# Altium PCB fastcar.PcbDoc (part 6 of 6)
Units mm, origin at the board's own origin, x right, y up, seen from the top; angles counter-clockwise.
Board outline 341.4 x 93 mm, 6 copper layers (Component Side, Signal 1, Signal 2, GND, POWER, Solder Side); 271 components, 375 nets, 1876 pads, 1375 vias.
Unrouted connection lines stored in the file: 4.
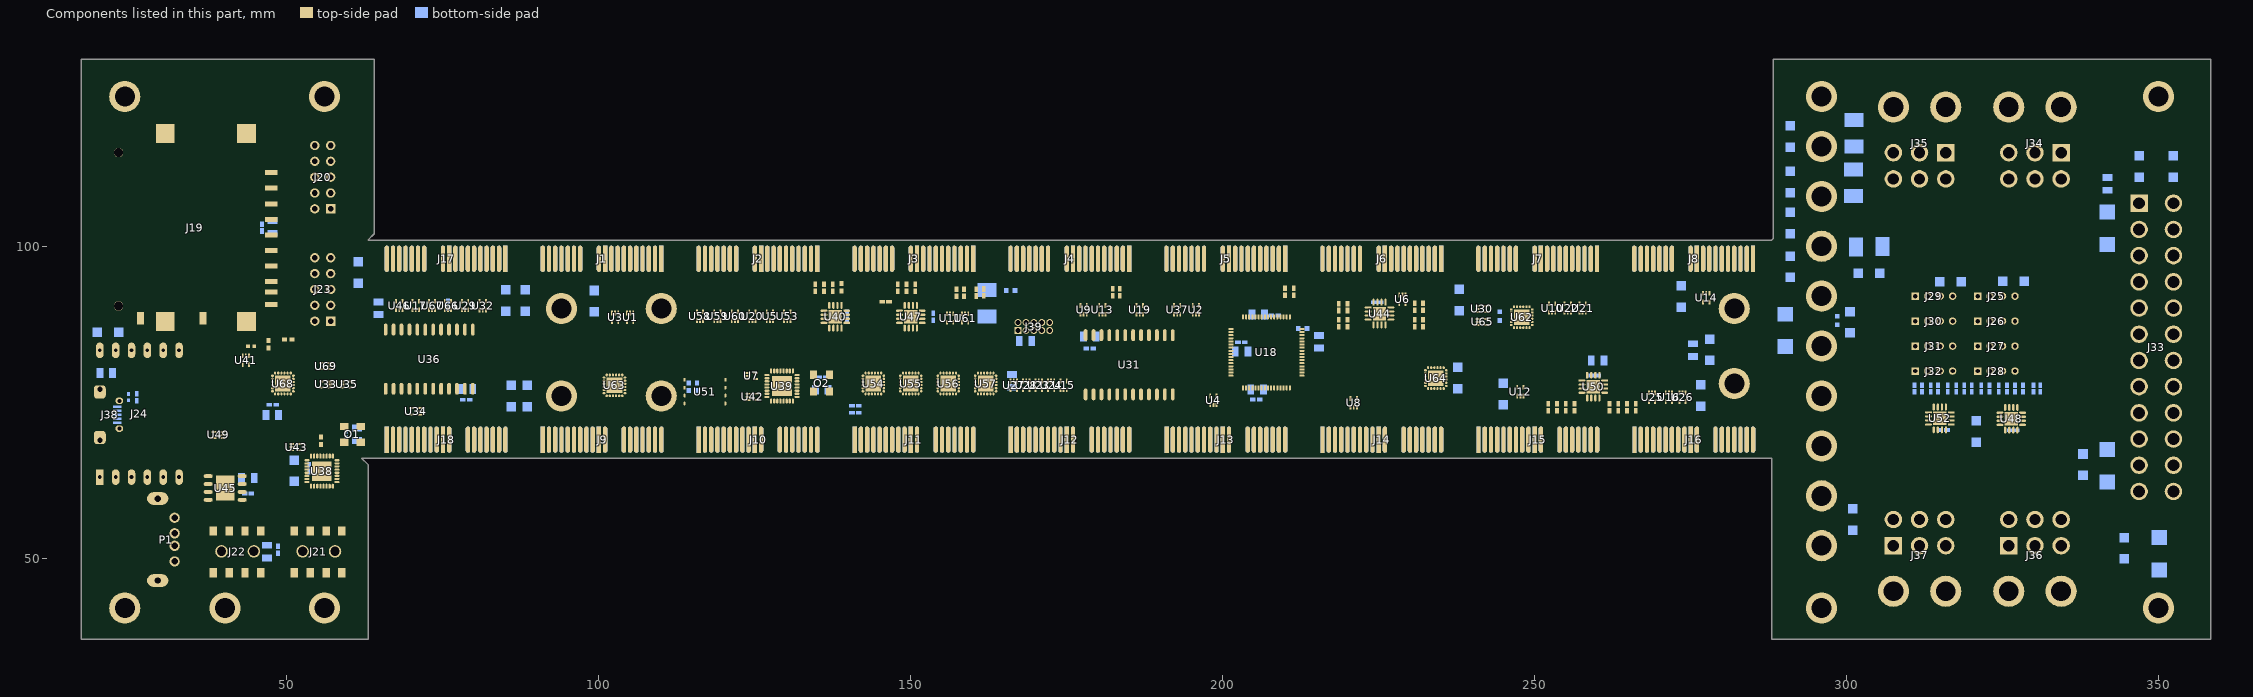
[diagram p10: the components of this part, seen from the top]

## Other copper
GND (plane layer: these items are gaps in the copper):
  lines w0.1: 69.9,101 69.9,95.5 71.7,93.7 72.3,93.7 74.7,96.1 94.3,96.1 96.7,93.7 97.3,93.7 99.7,96.1 119.3,96.1 121.7,93.7 122.3,93.7 124.7,96.1 144.3,96.1 146.7,93.7 147.4,93.7 149.8,96.1 169.3,96.1 171.7,93.7 172.3,93.7 174.7,96.1 194.3,96.1 196.7,93.7 197.3,93.7 199.7,96.1 219.3,96.1 221.7,93.7 222.3,93.7 224.7,96.1 244.3,96.1 246.7,93.7 247.3,93.7 249.7,96.1 269.3,96.1 271.7,93.7 272.3,93.7 273,94.4 274.7,96.1 288.128,96.1 291.5,99.472 291.5,124 294.5,127 353,127 355,125 355,105.8 354,104.8 351.3,104.8 350.3,103.8 350.3,101.5 351.3,100.5 353.8,100.5 355,99.3 355,77.8 355,42.5 353,40.5 293.9,40.5 291,43.4 291,65.7 299.5,74.2 299.5,77.6 297.6,79.5 294.4,79.5 ; 77.7,66 77.2,66.5 77.2,71.8 78.7,73.3 79.2,73.3 79.3,73.3 81.7,70.9 101.2,70.9 102.3,72 103.6,73.3 104.3,73.3 106.7,70.9 126.1,70.9 128.5,73.3 129.3,73.3 131.7,70.9 150.9,70.9 153.3,73.3 154.3,73.3 156.7,70.9 176.3,70.9 178.7,73.3 179.3,73.3 181.7,70.9 199.428,70.9 201.3,70.9 203.649,73.249 204.351,73.249 206.7,70.9 226.3,70.9 228.649,73.249 229.351,73.249 231.7,70.9 251.3,70.9 253.649,73.249 254.351,73.249 256.7,70.9 276.3,70.9 278.649,73.249 279.351,73.249 281.7,70.9 ; 281.2,71.4 281.7,70.9 ; 284.11,69.051 288.549,69.051 289.4,68.2 289.4,65.9 288,64.5 ; 294.6,79.5 294.4,79.5 ; 281.7,70.9 285.8,70.9 294.4,79.5
POWER (plane layer: these items are gaps in the copper):
  lines w0.1: 69.3,97.9 292.6,97.9 ; 69.3,101 69.3,95.1 70.7,93.7 71.3,93.7 73.7,96.1 93.3,96.1 95.7,93.7 96.3,93.7 98.7,96.1 118.3,96.1 120.7,93.7 121.3,93.7 123.7,96.1 143.3,96.1 145.7,93.7 146.3,93.7 148.7,96.1 168.3,96.1 170.7,93.7 171.3,93.7 173.7,96.1 193.3,96.1 195.7,93.7 196.3,93.7 198.7,96.1 218.3,96.1 220.7,93.7 221.3,93.7 223.7,96.1 243.3,96.1 245.7,93.7 246.3,93.7 248.7,96.1 268.3,96.1 270.7,93.7 271.3,93.7 273.7,96.1 285.9,96.1 287.3,94.7 287.3,93.4 288.6,92.1 290.9,92.1 292.6,93.8 292.6,116.8 294.8,119 316.2,119 322.3,112.9 337.5,112.9 339.7,115.1 339.7,130 ; 77.2,69 77.3,69.1 289.9,69.1 292.6,66.4 292.6,50.8 295,48.4 316.8,48.4 322.6,54.2 336.8,54.2 339.7,51.3 ; 77.7,66 77.2,66.5 77.2,70.8 79.7,73.3 80.3,73.3 82.7,70.9 102.3,70.9 104.7,73.3 105.3,73.3 107.7,70.9 127.3,70.9 129.7,73.3 130.3,73.3 132.7,70.9 152.3,70.9 154.7,73.3 155.3,73.3 157.7,70.9 177.3,70.9 179.7,73.3 180.3,73.3 182.7,70.9 202.3,70.9 204.7,73.3 205.3,73.3 207.7,70.9 227.3,70.9 229.7,73.3 230.3,73.3 232.7,70.9 252.3,70.9 254,72.6 254.7,73.3 255.3,73.3 256,72.6 257.7,70.9 277.3,70.9 279.7,73.3 280.3,73.3 282.7,70.9 ; 282.747,70.88 289.92,70.88 290.839,71.8 298.1,71.8 299.5,70.4 299.5,65.4 306.3,58.6 348.3,58.6 349.5,59.8 349.5,61.7 348.4,62.8 345.9,62.8 345,63.7 345,70.3 345.9,71.2 352.9,71.2 358.3,71.2 358.4,71.1 ; 339.6,37 339.7,37.1 339.7,51.249
Multi-Layer:
  lines w0.254: 13.492,43.524 14,42 ; 13.492,120.476 14,122 ; 13.746,42 14.254,42 ; 13.746,122 14.254,122 ; 14,76.896 14,42 ; 14,87.104 14,122 ; 14.508,43.524 14,42 ; 14.508,120.476 14,122 ; 287.492,103.628 288,102.104 ; 287.492,120.58 288,122.104 ; 287.746,102.104 288.254,102.104 ; 287.746,122.104 288.254,122.104 ; 288,107 288,102.104 ; 288,117.208 288,122.104 ; 288.508,103.628 288,102.104 ; 288.508,120.58 288,122.104 ; 361.492,42.628 362,41.104 ; 361.492,119.58 362,121.104 ; 362,76 362,41.104 ; 362.508,42.628 362,41.104
  lines w0.254 net GND: 362,86.208 362,121.104
  text "20 (mm)" at 287.086,116.954 h1.52 r270
  text "80 (mm)" at 14.914,77.15 h1.52 r90
  text "80 (mm)" at 362,41.104 h1.52

## Silkscreen, mask and mechanical layers (free items; w line width, h text height)
Top Overlay:
  text "Grove Sensors" at 310.85,81.6 h1
Mechanical 1:
  lines w0.254: 13.495,128.375 14,129.9 ; 13.689,38.423 14.2,36.9 ; 13.746,129.899 14.254,129.901 ; 13.946,36.899 14.454,36.901 ; 14.089,88.504 14,129.9 ; 14.111,78.296 14.2,36.9 ; 14.511,128.377 14,129.9 ; 14.705,38.425 14.2,36.9 ; 64.415,130.546 64.415,131.054 ; 64.492,38.42 65,36.896 ; 64.492,64.372 65,65.896 ; 64.746,36.896 65.254,36.896 ; 64.746,65.896 65.254,65.896 ; 65,46.292 65,36.896 ; 65,56.5 65,65.896 ; 65.492,102.524 66,101 ; 65.492,128.476 66,130 ; 65.508,38.42 65,36.896 ; 65.508,64.372 65,65.896 ; 65.746,101 66.254,101 ; 65.746,130 66.254,130 ; 65.939,130.292 64.415,130.8 ; 65.939,131.308 64.415,130.8 ; 66,110.396 66,101 ; 66,120.604 66,130 ; 66.508,102.524 66,101 ; 66.508,128.476 66,130 ; 169.33,130.8 64.415,130.8 ; 183.6,130.8 288.515,130.8 ; 286.991,130.292 288.515,130.8 ; 286.991,131.308 288.515,130.8 ; 288.515,130.546 288.515,131.054
  text "224.1 (mm)" at 169.584,129.886 h1.52
  text "29 (mm)" at 66.914,110.65 h1.52 r90
  text "93 (mm)" at 13.175,88.248 h1.52 r270.12
  text "29 (mm)" at 65.914,46.546 h1.52 r90

## Dimensions
16.8,34 to 358.4,33 on Mechanical 1
288.5,132.3 to 358.4,133.2 on Mechanical 1

## Text inside footprints (layer, text, board x,y; h text height)
J20: Top Overlay "2" at 54.968,103.46 h1.27 r90; Top Overlay "1" at 57.508,103.968 h1.27 r90; Top Overlay "9" at 57.508,117.684 h1.27 r90; Top Overlay "10" at 54.968,117.684 h1.27 r90
J23: Top Overlay "2" at 54.968,85.46 h1.27 r90; Top Overlay "1" at 57.508,85.968 h1.27 r90; Top Overlay "9" at 57.508,99.684 h1.27 r90; Top Overlay "10" at 54.968,99.684 h1.27 r90
J34: Top Overlay "Front" at 331.9,127.6 h1
J35: Top Overlay "Front" at 313.4,127.6 h1
J36: Top Overlay "Front" at 328.5,39.4 h1 r180
J37: Top Overlay "Front" at 310,39.4 h1 r180